# Altium PCB AMPM_GT400VB.PcbDoc (part 1 of 3) (continued)
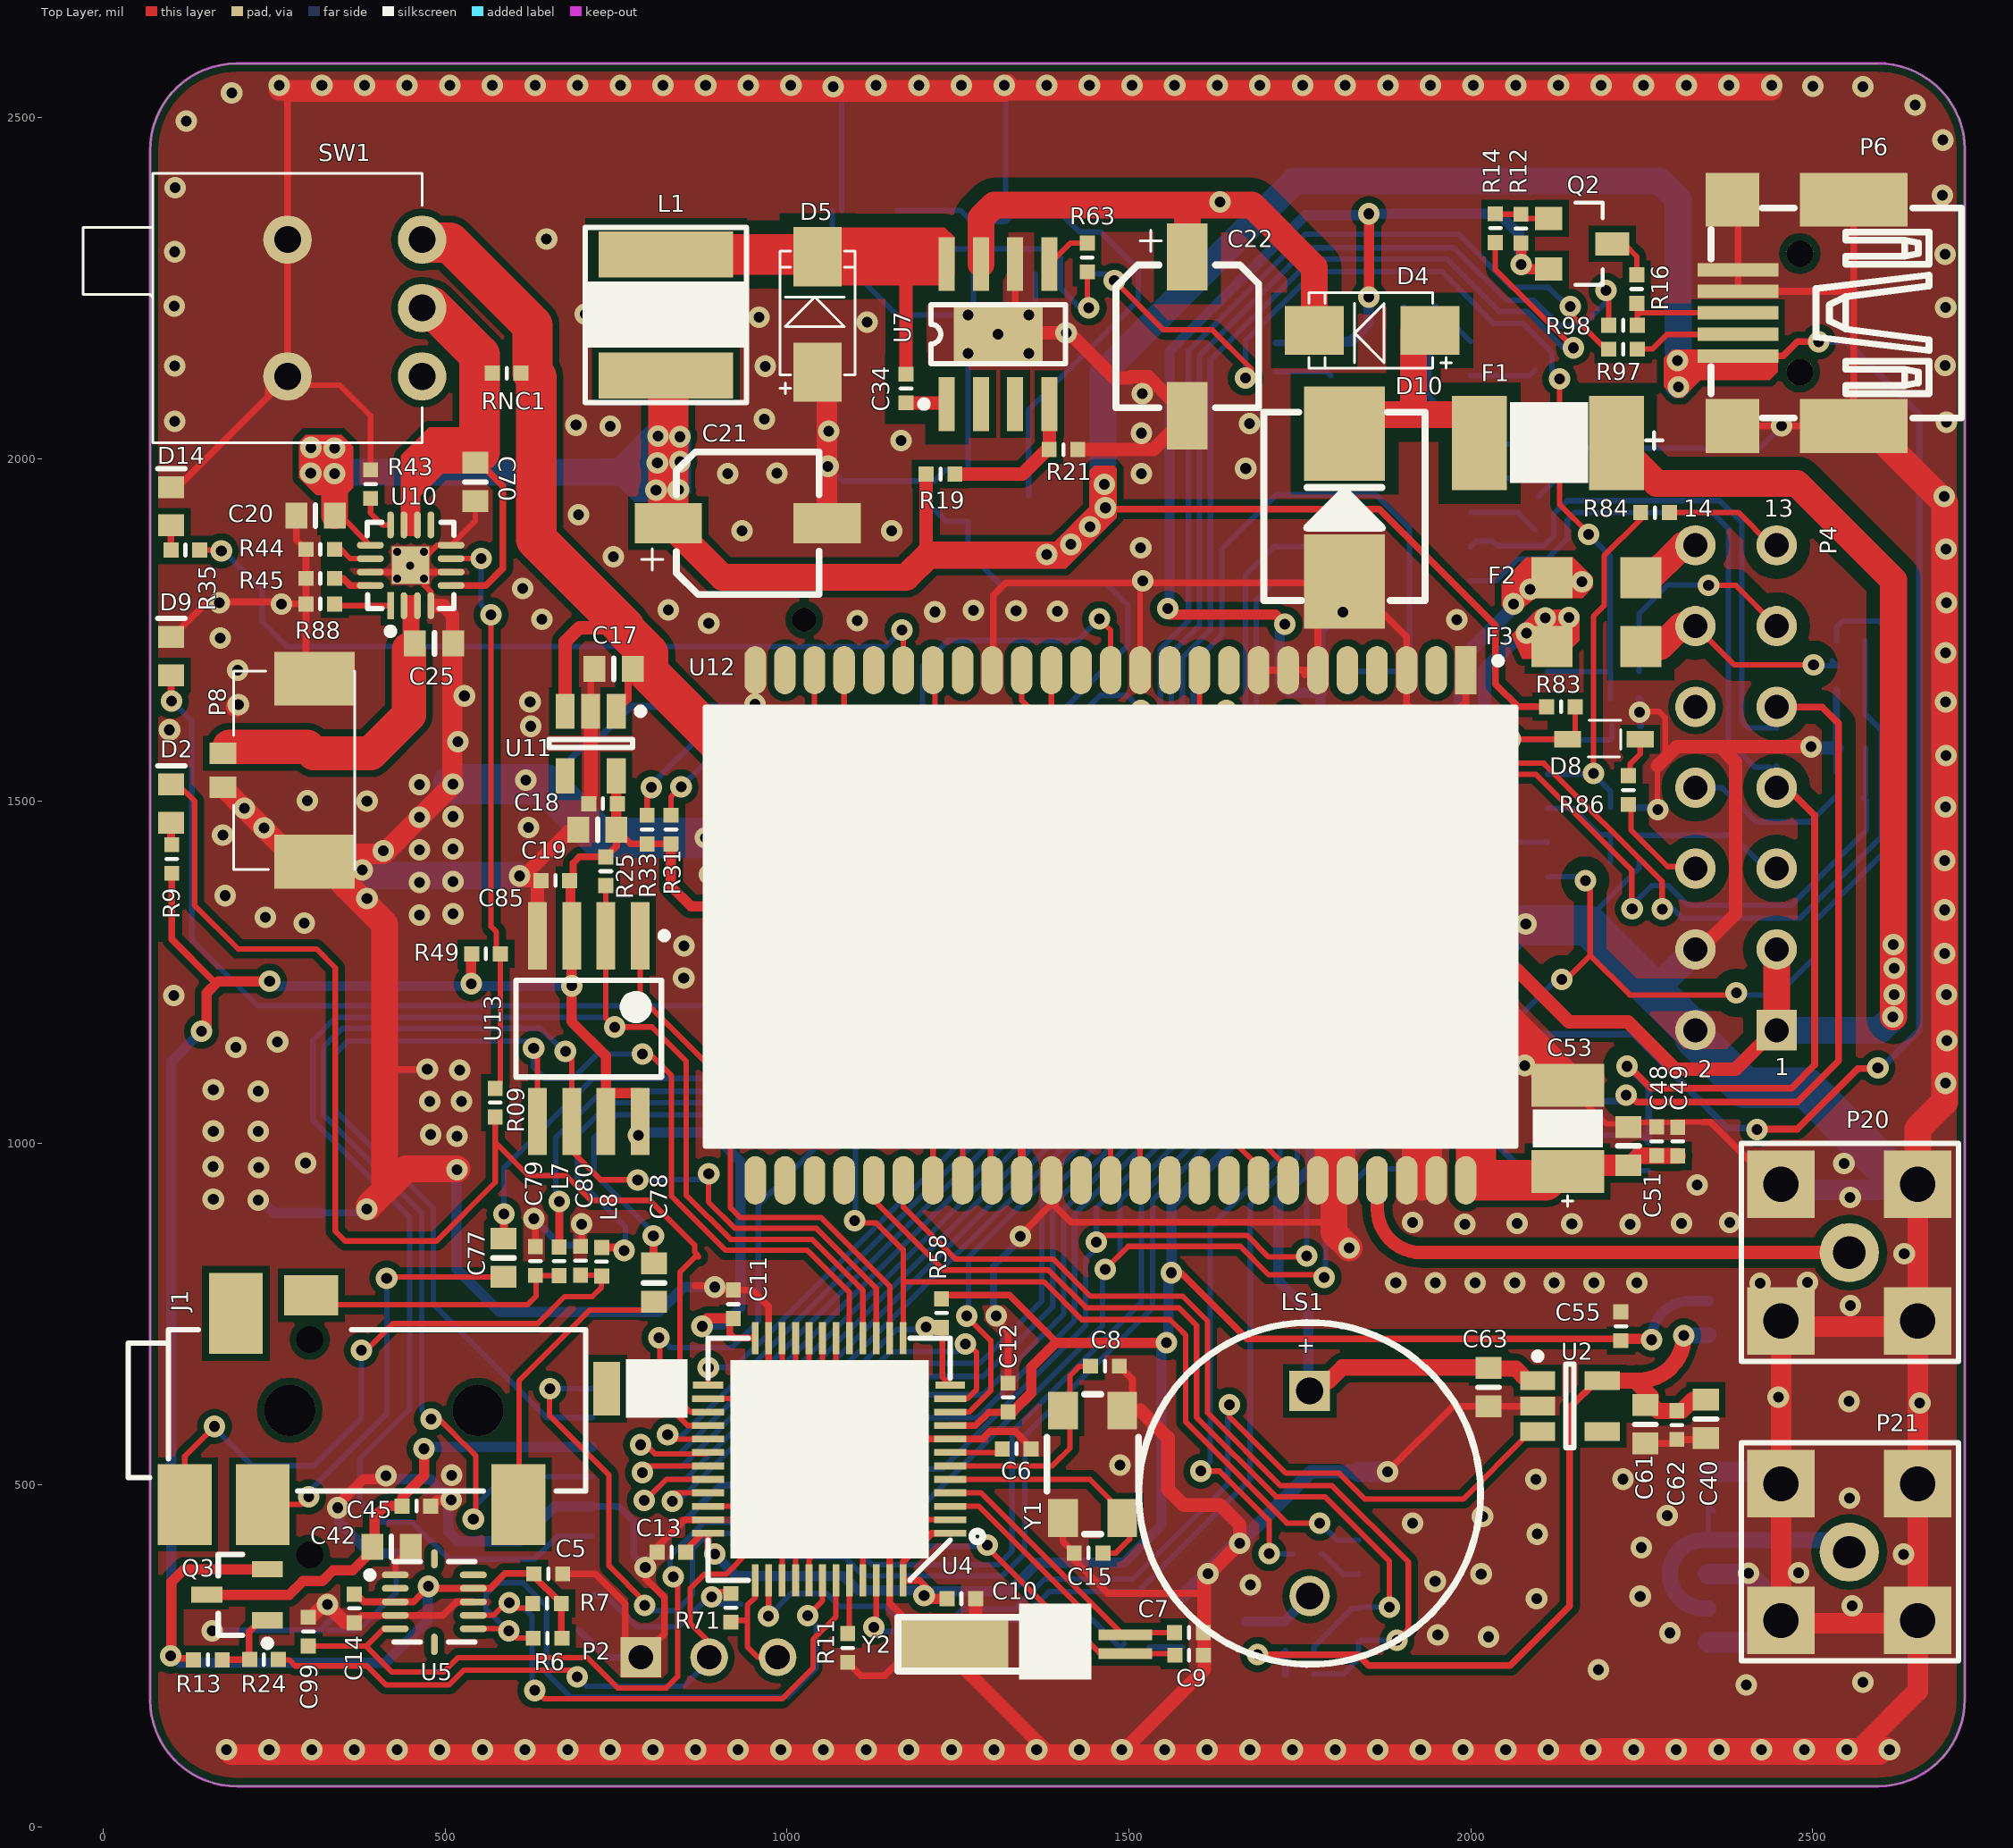
[diagram p0: Top Layer view]
## Components (designator, comment, footprint, x,y, rotation, side; value= is the part's Value field where it differs from the comment) (continued)
F2 "PTS120616V025" PTC1206 2183.73,1826.83 r180 top locked
F3 "PTS120616V025" PTC1206 2183.81,1725.96 r180 top
J1 "Phone Jack" "PHONE JACK" 36.06,608.97 r0 top locked
L1 "68uH-20%" 68uH-1A 822.79,2299.59 r270 top locked
L7 "82nH" R0402 666.53,826.94 r270 top
L8 "82nH" R0402 728.75,826.3 r270 top
LS1 "Speaker" BUZZER 1764.43,501.09 r0 top locked
P2 "Debug" HDR1X3 786.02,247.7 r0 top locked
P4 "Header 7X2H" HDR_7x2 2392.25,1726.41 r0 top locked
P6 "USB-CONNECTOR" "USB MINI B RECEPTACLE-M" 2371.2,2151.15 r270 top locked
P8 "Header 4" BAT_CONNECT 190.58,1545.16 r180 top locked
P10 "SIM CARD HOLDER" "SIM CARD HOLDER" 830.12,1489.92 r90 bottom locked
P20 "SMA" ANTENA-SMA 2553.89,839.65 r0 top locked
P21 "SMA" ANTENA-SMA 2553.89,401.56 r0 top locked
Q1 "C1815" SC-43-BCE 1624.76,299.59 r90 bottom
Q2 "2SA1015" SC-43-BCE 2160.7,2315.23 r270 top
Q3 "BSS84" SOT23-3 195.36,339.15 r180 top
Q6 "BSS138" SOT23-3 1228.09,2307.86 r180 bottom
Q8 "BSS138" SOT23-3 1309.03,1946.7 r0 bottom
Q9 "BSS138" SOT23-3 1400.92,2315.19 r90 bottom
R2 "10k-5%" R0402 1804.55,1658.82 r180 bottom
R3 "10k-5%" R0402 1801.7,1600.78 r180 bottom
R4 "10k-5%" R0402 1803.25,1501.11 r180 bottom
R5 "10k-5%" R0402 1804.04,1466.13 r180 bottom
R6 "4k7-5%" R0402 649.59,275.69 r0 top
R7 "4k7-5%" R0402 648.8,326.36 r0 top
R9 "1k-5%" R0402 99.92,1415.36 r270 top
R09 "1k-5%" R0402 572.97,1058.94 r270 top
R10 "1k-5%" R0402 2556.22,1733.8 r180 bottom
R11 "10k-5%" R0402 1088.54,261.4 r90 top
R12 "10k-5%" R0402 2073.53,2337.32 r270 top
R13 "10k-5%" R0402 152.71,244.07 r0 top
R14 "1k5-5%" R0402 2036.02,2338.01 r270 top
R16 "1k5-5%" R0402 2242.92,2248.94 r270 top
R18 "10k-5%" R0402 1508.35,261.79 r180 bottom
R19 "10k-1%" R0402 1224.36,1978.33 r0 top
R21 "3.24k-1%" R0402 1404.28,2014.15 r180 top
R24 "1k-5%" R0402 234.67,244.37 r0 top
R25 "10k-5%" R0402 734.8,1397.43 r270 top
R28 "1k-5%" R0402 1760.11,398.89 r180 bottom
R31 "10k-5%" R0402 830.12,1458.43 r90 top
R33 "10k-5%" R0402 795.12,1458.43 r90 top
R35 "1k-5%" R0402 119.71,1867.21 r0 top
R43 "1k1-5%" R0402 390.58,1963.67 r90 top
R44 "47k-5%" R0402 317.15,1868.33 r180 top
R45 "1k5-5%" R0402 317.15,1825.84 r180 top
R49 "10k-5%" R0402 559.48,1276.66 r180 top
R58 "10k-5%" R0402 1225.94,751.16 r90 top
R63 "100k-5%" R0402 1439.11,2295.12 r270 top
R67 "100k-5%" R0402 2556.22,1698.2 r0 bottom
R68 "10k-5%" R0402 2556.22,1662.6 r0 bottom
R71 "1k-5%" R0402 917.67,320.06 r270 top
R73 "120-5%" R0603 2447.32,1550.28 r90 bottom
R77 "4k7-5%" R0402 1749.92,256.43 r180 bottom
R78 "4k7-5%" R0402 1749.92,222.96 r180 bottom
R82 "10k-5%" R0402 2225.33,1689.69 r0 bottom
R83 "10k-5%" R0402 2132.06,1638.04 r180 top
R84 "10k-5%" R0402 2269.64,1922.03 r0 top
R85 "10k-5%" R0402 2225.33,1450.89 r0 bottom
R86 "1k-5%" R0402 2230.66,1516.12 r270 top
R87 "10k-5%" R0402 2556.62,1542.86 r0 bottom
R88 "10k-5%" R0402 317.15,1788.33 r180 top
R89 "10k-5%" R0402 932.6,346.65 r270 bottom
R93 "100k-5%" R0402 1215.49,1947.23 r90 bottom
R94 "100k-5%" R0402 1455.49,2375.59 r180 bottom
R95 "100k-5%" R0402 2556.62,1507.94 r0 bottom
R97 "22-5%" R0402 2222.92,2160.94 r0 top
R98 "22-5%" R0402 2222.92,2195.94 r0 top
RNC1 "0ohm" R0402 589.73,2125.94 r180 top
SW1 "NC/Slide Switch 5FS1S102M6QE" SWITCH-PW-AQ 269.18,2321.23 r90 top locked
U1 "uSD Push-Push Socket" "MICROSD SOCKET CPSDBT5" 715.1,685.01 r90 bottom locked
U2 "XC6209B332MRN_SOT-25" SOT23-5 2145.21,615.21 r0 top
U3 "ULN2003A/SO" SO16-150mil#1 2009.93,1514.59 r270 bottom locked
U4 "STM32F103CBT6TR" TQFP-48-P0.5 1061.59,537.47 r180 top locked
U5 "MMA7660FC" MMA7660FC 483.87,328.81 r0 top locked
U7 "TPS54xx" HSOIOCN 1308.61,2183.05 r0 top locked
U8 "MAX485CSA" SO8-150mil 2015.31,1036.99 r90 bottom
U9 "MAX3232CSE" SO16-150mil#2 1897.59,1997.22 r270 bottom locked
U10 "bq24073" pq24073 449.32,1844.9 r90 top
U11 "XC6209B332MRN_SOT-25" SOT23-5 712.7,1584.17 r270 top locked
U12 "LEON G100" UBLOX 1473.2,1318.41 r270 top locked
U13 "MX25L8005MC-15G_SOP-8L" SO8-200mil 709.8,1167.3 r270 top locked
U15 "AMBO1315" GPS-module 2347.69,519.11 r90 bottom locked
Y1 "8.000 MHZ" "SMD CRYSTAL 4 X 2.5" 1446.93,530.04 r90 top
Y2 "32768Hz" "CYLINDRICAL CRYSTAL - SMALL" 1396.41,266.91 r180 top locked

## Footprints (in the part's own frame and the unit in brackets; to place one, negate y for a bottom-side part, rotate by r counter-clockwise, add the part's x,y. Pads: shape width x height; smd on the part's side, far side on the other; paste and mask are expansions set on the pad)
68uH-1A [mm]
  rect 1.7x5 smd: 1(0,0) 2(4.5,0)
  silkscreen extent -1,-3 5.5,3, body extent -1,-3 5.5,3, height 4.6
ANTENA-SMA [mm] "Connector; Header; 2 Position"
  round 2.2 hole 1.2: 1(0,0)
  rect 2.5x2.5 hole 1.3: 2(-2.54,-2.54) 3(2.54,-2.54) 4(2.54,2.54) 5(-2.54,2.54)
  silkscreen extent -4.01,-4.04 4.06,4.06, body extent -3.5,-3.5 11.6,3.5, height 9.86
BAT_CONNECT [mm]
  rect 1x0.8 smd: 1(0.4,0.635) 2(0.4,-0.635)
  rect 3x2 smd: 3(-3,3.4) 4(-3,-3.4)
  silkscreen extent -4.5,-3.69 0,3.69
BUZZER [mm]
  rect 1.5x1.5 hole 1: 1(0,3.46)
  round 1.5 hole 1: 2(0,-4.16)
  silkscreen extent -6.35,-6.7 6.35,6, body extent -5.97,-6.35 6.02,5.65, height 7.5
C0402 [mil]
  rect 22x22 smd: 1(-21,0) 2(21,0)
  silkscreen extent 0,-8 0,8, body extent -20,-10 20,10, height 20
C0603 [mil]
  rect 32x38 smd: 1(0,0) 2(56,0)
  silkscreen extent 28,-16 28,16, body extent -4,-16 59,16, height 12
C1210 [mm] "Chip Capacitor; Body 3.2 x 2.5 mm (LxW typ)"
  rect 1.6x2.7 smd: 1(1.4,0) 2(-1.8,0)
  silkscreen extent -0.9,-1.3 2.7,1.3, body extent -2.3,-1.35 1.9,1.35
"CAPACITOR SIZE_C(D5.3)" [mm]
  rect 2.5x1.5 smd: 1(0,0) 2(5.9,0)
  silkscreen extent -1,-2.65 5.6,2.65, body extent 0,-2.65 5.9,2.65, height 5.41
"CYLINDRICAL CRYSTAL - SMALL" [mm]
  rect 2x0.4 smd: 1(-2.5,-0.35) 2(-2.5,0.35)
  rect 4x1.8 smd: 3(3.85,0)
  silkscreen extent -1,-1 5.95,1
"DO-214AB (SMC)" [mil]
  rect 137.77x118.1 smd: 1(19.67,0) 2(236,0)
  silkscreen extent -8,-118 267,118, body extent -27,-118 286,114, height 91
"DO-214AC (SMA)" [mm]
  rect 2.2x1.8 smd: 1(-0.899,-0.5) 2(3.397,-0.5)
  silkscreen extent -1.7,-1.9 3.6,0.9, body extent -1.3,-1.8 3.9,0.8, height 2.3
GPS-module [mm]
  rect 0.66x1 smd: 1(-6.35,-13) 2(-5.08,-13) 3(-3.81,-13) 4(-2.54,-13) 5(-1.27,-13) 6(1.27,-13) 7(2.54,-13) 8(3.81,-13) 9(5.08,-13) 10(6.35,-13) 11(6.35,0) 12(5.08,0) 13(3.81,0) 14(2.54,0) 15(1.27,0) 16(-1.27,0) 17(-2.54,0) 18(-3.81,0) 19(-5.08,0) 20(-6.35,0)
  rect 1.02x1 smd: 21(0,-13) 22(0,0)
  silkscreen extent -8,-13 8,0, body extent -8,-13 8,0, height 2.5
HDR1X3 [mm] "Connector; Header; 3 Position"
  rect 1.5x1.5 hole 0.9: 1(0,0)
  round 1.4 hole 0.9: 2(2.54,0) 3(5.08,0)
HDR_7x2 [mm] "Connector; Header; 7x2 Position; Right Angle"
  rect 1.5x1.5 hole 0.9: 1(1.404,-14.261)
  round 1.5 hole 0.9: 2(-1.611,-14.261) 3(1.404,-11.258) 4(-1.611,-11.258) 5(1.404,-8.256) 6(-1.611,-8.256) 7(1.404,-5.253) 8(-1.611,-5.253) 9(1.404,-2.251) 10(-1.611,-2.251) 11(1.404,0.752) 12(-1.611,0.752) 13(1.404,3.754) 14(-1.611,3.754)
HSOIOCN [mm] "SP7656"
  rect 0.6x2 smd: 1(-1.905,-2.6) 2(-0.635,-2.6) 3(0.635,-2.6) 4(1.905,-2.6) 5(1.905,2.6) 6(0.635,2.6) 7(-0.635,2.6) 8(-1.905,2.6)
  rect 3.3x2.4 smd: 9(0,0)
  silkscreen extent -2.88,-2.72 2.5,1.1, body extent -2.5,-2.95 2.4,3.05, height 1.7
LED0603-G [mil]
  rect 32x38 smd: 1(-28,0) 2(28,0)
  silkscreen extent 55,-20 55,19, body extent -32,-16 32,16, height 43
"MICROSD SOCKET CPSDBT5" [mil]
  rect 27.53x86.6 smd: 1(0,0) 2(-43.3,0) 3(-86.6,0) 4(-129.92,0) 5(-173.22,0) 6(-216.53,0) 7(-259.83,0) 8(-303.13,0) 9(-346.45,0)
  rect 55.1x62.97 smd: 10(-397.63,-19.68)
  rect 55.1x94.47 smd: 11(-397.63,-397.63) 12(212.58,-397.63)
  rect 70.83x62.97 smd: 13(165.35,-23.62)
  round 0 hole 39.37: 14(27.55,-413.38) 15(-287.4,-413.38)
  silkscreen extent -435,-571 250,55
MMA7660FC [mm] "QFN, 12-Leads, Body 3,0x3,0mm (max), Pitch 0,50mm, IPC Medium Density"
  oval 1x0.25 smd: 1(-1.45,1) 2(-1.45,0.5) 3(-1.45,0) 4(-1.45,-0.5) 5(-1.45,-1) 6(1.45,-1) 7(1.45,-0.5) 8(1.45,0) 9(1.45,0.5) 10(1.45,1)
  oval 0.25x0.8 smd: 11(0,-1.58)
  oval 0.25x0.711 smd: 12(0,1.6)
  silkscreen extent -2.52,-1.5 1.5,1.5, body extent -1.5,-1.5 1.5,1.5, height 0.9
"PHONE JACK" [mm]
  rect 2x3 smd: 1(2.1,-3.5) 2(14.5,-3.5) 5(4,3.6) 6(5,-3.5)
  rect 2x1.5 smd: 3(6.8,4.27)
  rect 1x2 smd: 4(17.78,0.8)
  silkscreen extent 0,-3 17,3, body extent 0,-3 17,3, height 5.1
pq24073 [mm]
  rect 1x0.25 smd: 1(-1.5,0.75)
  oval 1x0.25 smd: 2(-1.5,0.25) 3(-1.5,-0.25) 4(-1.5,-0.75) 9(1.5,-0.75) 10(1.5,-0.25) 11(1.5,0.25) 12(1.5,0.75)
  oval 0.25x1 smd: 5(-0.75,-1.5) 6(-0.25,-1.5) 7(0.25,-1.5) 8(0.75,-1.5) 13(0.75,1.5) 14(0.25,1.5) 15(-0.25,1.5) 16(-0.75,1.5)
  rect 1.4x1.4 smd: 17(0,0)
  silkscreen extent -2.57,-1.6 1.6,1.61, body extent -1.58,-1.57 1.58,1.58, height 1
PTC1206 [mil]
  rect 60x60 smd: 1(-65,0) 2(65,0)
  body extent -60,-50 66,51, height 27
PTC1812 [mm]
  rect 3.5x2.032 smd: 1(0,2.7) 2(0,-2.395)
  silkscreen extent -1.53,-1.26 1.47,4.4, body extent -1.73,-2.06 1.68,2.67, height 1.34
R0402 [mil]
  rect 22x22 smd: 1(-21,0) 2(21,0)
  silkscreen extent 0,-8 0,8, body extent -20,-10 20,10, height 14
R0603 [mil]
  rect 32x38 smd: 1(0,0) 2(56,0)
  silkscreen extent 28,-16 28,16, body extent -4,-16 59,16, height 12
SC-43-BCE [mil]
  rect 34x40 smd: B(-37.02,-46.5) E(37.02,-46.5)
  rect 34x50 smd: C(0.02,46.5)
  silkscreen extent -60,-8 60,33, body extent -57,-52 57,58, height 41
"SIM CARD HOLDER" [mm]
  rect 0.8x1.35 smd mask+0.3: 1(2.92,10.8) 2(0.62,10.8) 3(-1.68,10.8) 4(4.07,10.8) 5(1.77,10.8) 6(-0.53,10.8) 7(-2.83,10.8)
  rect 1.6x2 smd mask+0.201: 8(-10.225,-10.8) 9(10.225,-10.8)
  silkscreen extent -9.42,-18.47 9.43,10.79, body extent -10.14,-20.92 10.41,11.1, height 2.2
"SMD CRYSTAL 4 X 2.5" [mm]
  rect 1.4x1.1 smd: 1(-2,-1.1) 2(2,-1.1) 3(2,1.1) 4(-2,1.1)
  silkscreen extent -2.6,-1.7 2.6,1.7, body extent -2,-1.2 2,1.3, height 0.63
SO8-150mil [mm] "Small Outline; 8 Leads; Body Width 3.9 mm; Pitch 1.27 mm"
  rect 0.6x2 smd: 1(-1.905,-2.6) 2(-0.635,-2.6) 3(0.635,-2.6) 4(1.905,-2.6) 5(1.905,2.6) 6(0.635,2.6) 7(-0.635,2.6) 8(-1.905,2.6)
  silkscreen extent -2.88,-2.72 2.5,1.1, body extent -2.5,-2.95 2.4,3.05, height 1.7
SO8-200mil [mm] "8-Pin Plastic Medium Body Small Outline Package 1.27 mm Pitch, IPC Low Density"
  rect 2.5x0.7 smd: 1(-3.45,1.905) 2(-3.45,0.635) 3(-3.45,-0.635) 4(-3.45,-1.905) 5(3.45,-1.905) 6(3.45,-0.635) 7(3.45,0.635) 8(3.45,1.905)
  silkscreen extent -3.57,-2.7 1.8,2.93, body extent -3.05,-2.4 2.95,2.5, height 1.7
SO16-150mil#1 [mm] "Small Outline; 16 Leads; Body Width 3.9 mm; Pitch 1.27 mm"
  rect 0.5x2.2 smd: 1(-4.445,-2.6) 2(-3.175,-2.6) 3(-1.905,-2.6) 4(-0.635,-2.6) 5(0.635,-2.6) 6(1.905,-2.6) 7(3.175,-2.6) 8(4.445,-2.6) 9(4.445,2.6) 10(3.175,2.6) 11(1.905,2.6) 12(0.635,2.6) 13(-0.635,2.6) 14(-1.905,2.6) 15(-3.175,2.6) 16(-4.445,2.6)
  silkscreen extent -5.42,-2.72 5,1.1, body extent -4.95,-3.1 4.95,3.1, height 1.7
SO16-150mil#2 [mm] "Small Outline; 16 Leads; Body Width 3.9 mm; Pitch 1.27 mm"
  rect 0.6x2.2 smd: 1(-4.445,-2.6) 2(-3.175,-2.6) 3(-1.905,-2.6) 4(-0.635,-2.6) 5(0.635,-2.6) 6(1.905,-2.6) 7(3.175,-2.6) 8(4.445,-2.6) 9(4.445,2.6) 10(3.175,2.6) 11(1.905,2.6) 12(0.635,2.6) 13(-0.635,2.6) 14(-1.905,2.6) 15(-3.175,2.6) 16(-4.445,2.6)
  silkscreen extent -5.42,-2.72 5,1.1, body extent -4.95,-3.1 4.95,3.1, height 1.7
SOD323#1 [mm]
  rect 1x0.6 smd: 1(-1.35,0) 2(1.35,0)
  silkscreen extent -0.59,-0.65 0.62,0.7, body extent -1.32,-0.65 1.38,0.7, height 0.79
SOD323#2 [mm]
  rect 1.2x0.65 smd: 1(0,0) 2(2.4,0)
  silkscreen extent 0.2,-0.7 1.6,0.6, body extent -0.15,-0.7 2.55,0.65, height 0.79
SOD-523F [mm] "Molded Inductor, 2-Leads, Body 1.2x0.8mm, IPC Medium Density"
  rect 0.5x0.9 smd: 1(0,-1) 2(0,1)
  silkscreen extent -0.31,-0.28 0.29,-0.28, body extent -0.45,-0.65 0.45,0.65, height 0.7
SOT23-3 [mm] "SOT23, 3-Leads, Body 2.9x1.3mm, Pitch 0.95mm, Lead Span 2.4mm, IPC Medium Density"
  rect 1.15x0.6 smd: 1(-1.125,0.95) 2(-1.125,-0.95) 3(1.125,0)
  silkscreen extent -1.25,-1.5 0.7,1.92, body extent -1.27,-1.46 1.28,1.46, height 0.99
SOT23-5 [mm] "SOT23, 5-Leads, Body 2.9x1.6mm, Pitch 0.95mm, Lead Span 2.8mm, IPC Low Density"
  rect 1.3x0.7 smd: 1(-1.2,0.95) 2(-1.2,0) 3(-1.2,-0.95) 4(1.2,-0.95) 5(1.2,0.95)
  silkscreen extent -1.32,-1.55 0.15,1.97, body extent -0.9,-1.55 0.9,1.55, height 1.45
SWITCH-PW-AQ [mm]
  round 1.8 hole 1: 1(-5.08,-5) 2(-2.54,-5) 3(0,-5) 4(0,0) 5(-5.08,0)
  silkscreen extent -7.54,-5 2.46,7.6
TQFP-48-P0.5 [mm] "Thin QFP, 48-Leads, Body 7x7mm, Pitch 0.5mm, IPC Medium Density"
  rect 1.2x0.254 smd: 1(-4.5,2.75) 2(-4.5,2.25) 3(-4.5,1.75) 4(-4.5,1.25) 5(-4.5,0.75) 6(-4.5,0.25) 7(-4.5,-0.25) 8(-4.5,-0.75) 9(-4.5,-1.25) 10(-4.5,-1.75) 11(-4.5,-2.25) 26(4.5,-2.25) 27(4.5,-1.75) 28(4.5,-1.25) 29(4.5,-0.75) 30(4.5,-0.25) 31(4.5,0.25) 32(4.5,0.75) 33(4.5,1.25) 34(4.5,1.75) 35(4.5,2.25) 36(4.5,2.75)
  rect 1.092x0.254 smd: 12(-4.5,-2.75)
  rect 0.254x1.2 smd: 13(-2.75,-4.5) 14(-2.25,-4.5) 15(-1.75,-4.5) 16(-1.25,-4.5) 17(-0.75,-4.5) 18(-0.25,-4.5) 19(0.25,-4.5) 20(0.75,-4.5) 21(1.25,-4.5) 22(1.75,-4.5) 23(2.25,-4.5) 24(2.75,-4.5) 37(2.75,4.5) 38(2.25,4.5) 39(1.75,4.5) 40(1.25,4.5) 41(0.75,4.5) 42(0.25,4.5) 43(-0.25,4.5) 44(-0.75,4.5) 45(-1.25,4.5) 46(-1.75,4.5) 47(-2.25,4.5) 48(-2.75,4.5)
  rect 1.143x0.254 smd: 25(4.5,-2.75)
  silkscreen extent -5.71,-4.5 4.5,4.5, body extent -4.5,-4.5 4.5,4.5, height 1.5
UBLOX [mm] "SOJ, 50-Leads, Body 30.1x20.1mm (max), Pitch 1.10mm, IPC Low Density"
  rect 1.8x0.8 smd: 1(-9.475,13.2)
  oval 1.8x0.8 smd: 2(-9.475,12.1) 3(-9.475,11) 4(-9.475,9.9) 5(-9.475,8.8) 6(-9.475,7.7) 7(-9.475,6.6) 8(-9.475,5.5) 9(-9.475,4.4) 10(-9.475,3.3) 11(-9.475,2.2) 12(-9.475,1.1) 13(-9.475,0) 14(-9.475,-1.1) 15(-9.475,-2.2) 16(-9.475,-3.3) 17(-9.475,-4.4) 18(-9.475,-5.5) 19(-9.475,-6.6) 20(-9.475,-7.7) 21(-9.475,-8.8) 22(-9.475,-9.9) 23(-9.475,-11) 24(-9.475,-12.1) 25(-9.475,-13.2) 26(9.475,-13.2) 27(9.475,-12.1) 28(9.475,-11) 29(9.475,-9.9) 30(9.475,-8.8) 31(9.475,-7.7) 32(9.475,-6.6) 33(9.475,-5.5) 34(9.475,-4.4) 35(9.475,-3.3) 36(9.475,-2.2) 37(9.475,-1.1) 38(9.475,0) 39(9.475,1.1) 40(9.475,2.2) 41(9.475,3.3) 42(9.475,4.4) 43(9.475,5.5) 44(9.475,6.6) 45(9.475,7.7) 46(9.475,8.8) 47(9.475,9.9) 48(9.475,11) 49(9.475,12.1) 50(9.475,13.2)
  silkscreen extent -9.95,-15.05 8.2,15.05, body extent -9.5,-15.05 9.5,15.05, height 3.2
"USB MINI B RECEPTACLE-M" [mm]
  rect 0.5x3 smd: 1(0,0.5) 2(-0.8,0.5) 3(-1.6,0.5) 4(-2.4,0.5) 5(-3.2,0.5)
  rect 2x2 smd: 6(2.601,0.3) 7(-5.801,0.3)
  rect 2x4 smd: 8(2.601,4.801) 9(-5.801,4.801)
  round 1 / inner round 1.524 / far side round 1 hole 1: 10(0.6,2.8) 11(-3.8,2.8)
  silkscreen extent -5.5,-0.5 2.3,8.8, body extent -6.9,-0.4 3.8,8.8, height 3.95

## Part data
C5 C6 C10 C11 C12 C13 C14 C18 C29 C31 C32 C34 C37 C38 C39 C45 C55 C56 C62 C68 C81 C82 C83 C84 C85 C86 C87 C88 C89 C90 C99: library part Cap, "CAP CER 0.1UF 16V Y5V 0402"
C7 C8 C9 C15 C48: library part Cap, "CAP CER 15PF 50V 5% NPO 0402"
C17 C19 C20 C42 C51 C63: library part Cap, "CAP CER 1UF 16V Y5V 0603"
C21: library part "Cap Pol3", "CAP ALUM 100UF 10V 20% SMD"
C22: library part "Cap Pol3", "CAP ALUM 10UF 35V 20% SMD"
C25 C40 C61 C70 C77 C78: library part Cap, "CAP CER 10UF 6.3V 20% X5R 0603"
C49: library part Cap, "CAP CER 33PF 50V 5% NPO 0402"
C53: library part "Cap Pol3", "CAP CER 100UF 10V 20% X5R 1812"
C57 C58 C59 C71 C72: library part Cap, "CAP CER 47PF 50V 5% NPO 0402"
C79 C80: library part Cap, "CAP CER 27PF 50V 5% NPO 0402"
C94: library part Cap, "CAP CER 10000PF 16V 10% X7R 0402"
D2 D9 D14: library part LED2, "LED GREEN CLEAR THIN 0603 SMD"
D4: library part Diode, "DIODE GEN PURPOSE 1000V 1A SMA"
D5: library part "D Schottky", "DIODE SCHOTTKY 40V 3A SMA"
D7: library part Diode, "Diode Type SMD"
D8: library part Diode, "DIODE SWITCH 75V 200MW SOD323"
D10: library part "D Schottky", "DIODE TVS 24V 1500W UNI 5% SMC"
DZ1: library part "D Zener", "Zener Diode"
F1: library part "Fuse 2", "POLYSWITCH .50A RESET FUSE SMD"
F2 F3: library part "Fuse 2", "PTC RESETTABLE SMD 1206 16V .25A"
J1: "NA"
L1: library part Inductor, "INDUCTOR POWER 68UH SMD"
L7 L8: library part Inductor, "INDUCTOR 82NH 150MA 0402"
LS1: "Loudspeaker"
P2: library part "Header 3", "NA"
P4: "Header, 7-Pin, Dual row, Right Angle"
P6: library part "Header 9", "IO CONNECTOR"
P8: "Header, 4-Pin"
P10: library part "SIM CARD"
P20 P21: library part Component_1, "SMA-R/A-F"
Q1: library part "NPN Transistor", "TRANSISTOR NPN 50V 150MA"
Q2: library part "PNP Transistor"
Q3: library part MOSFET-P, "MOSFET P-CH 50V 130MA SOT23-3"
Q6 Q8 Q9: library part MOSFET-P, "MOSFET N-CH 50V 200MA SOT23-3"
R2 R3 R4 R5 R11 R12 R13 R18 R25 R31 R33 R49 R58 R68 R82 R83 R84 R85 R87 R88 R89: library part Res1, "RES 10K OHM 1/16W 5% 0402 SMD"
R6 R7 R77 R78: library part Res1, "RES 4.7K OHM 1/16W 5% 0402 SMD"
R9 R09 R10 R24 R28 R35 R71 R86: library part Res1, "RES 1.0K OHM 1/16W 5% 0402 SMD"
R14 R16 R45: library part Res1, "RES 1.5K OHM 1/16W 5% 0402 SMD"
R19: library part Res1, "RES 10.0K OHM 1/10W 1% 0402 SMD"
R21 RNC1: library part Res1, "RES 3.24K OHM 1/10W 1% 0402 SMD"
R43: library part Res1, "RES 1.1K OHM 1/16W 5% 0402 SMD"
R44: library part Res1, "RES 47K OHM 1/16W 5% 0402 SMD"
R63 R67 R93 R94 R95: library part Res1, "RES 100K OHM 1/16W 5% 0402 SMD"
R73: library part Res1, "RES 120 OHM 1/10W 1% 0603 SMD"
R97 R98: library part Res1, "RES 22 OHM 1/16W 5% 0402 SMD"
SW1: library part "Header 5", "Header, 5-Pin"
U3: library part ULN2003A/SO_0, "IC DARL TRANS ARRAY 16-SOIC"
U4: library part ATmega128_4, "MCU ARM 128K FLASH/TIMER"
U5: "ACCELEROMETER 3X3 DGTL 10-DFN"
U7: "IC REG BUCK ADJ 1A 8SOIC"
U8: "IC TXRX RS485/RS422 LOWPWR 8SOIC"
U9: "IC DRVR/RCVR MULTCH RS232 16SOIC"
U10: library part BATTERY_CHARGER, "IC LI-ION CHARGE/PWR MGMT 16-QFN"
U12: library part ublox
U13: library part FlashIC
U15: library part UBLOX-GPS
Y1: library part CRYSTAL-SMT, "CRYSTAL 8.000 MHZ 18PF SMD"
Y2: library part XTAL, "CRYSTAL 32.000 KHZ 12.5PF CYL"

## Via types
v1: diameter 31.5, hole 15.75, Top Layer to Bottom Layer, 478 vias
v2: diameter 11.81, hole 11.81, Top Layer to Bottom Layer, tented top, 5 vias
v3: diameter 74.8, hole 74.8, Top Layer to Bottom Layer, 2 vias
v4: diameter 35.43, hole 35.43, Top Layer to Bottom Layer, 2 vias

## Nets (pads, with @x,y where several pads share a name; then routed paths per layer and width w, separated by ;. In a path a pad name is that pad's centre, name@x,y a point inside that pad or via, vN(x,y) a via of type N, cw(c..) or ccw(c..) an arc to the next point about the centre after c; other vN are vias at no path point)
3V3: C5.2 C10.1 C11.1 C12.1 C13.1 C14.2 C18.2 C19.1 C38.1 C55.2 C85.1 Q2.E Q3.2 R2.2 R3.2 R4.2 R5.2 R6.2 R7.2 R9.2 R12.2 R13.1 R25.1 R31.1 R33.1 R49.2 R58.2 R89.1 U4.1 U4.9 U4.24 U4.36 U4.48 U5.3 U5.9 U9.16 U11.5 U13.3 U13.7 U13.8 U15.11 | length 10773
  Top Layer w10: v1@98.38,246.04 R13.1@131.71,246.04 ; R9.2@99.92,1394.36 99.92,1298.04 161.46,1236.5 ; C14.2@368.6,341.38 381.17,328.81 U5.3@426.79,328.81 453.54,328.81 v1@473.85,349.13 ; v1@485.03,348.5 U5.9@540.96,348.5 565.7,348.5 587.56,370.36 C5.2@627.19,370.36 ; C5.2@629.68,369.78 629.68,368 628.16,368 R7.2@669.8,326.36 669.8,276.48 R6.2@670.59,275.69 ; C85.1@681.98,1383.84 687.06,1388.93 687.06,1409.37 696.13,1418.43 R25.1@734.8,1418.43 750.32,1433.95 C19.1@750.32,1458.37 771.26,1437.43 R33.1@795.12,1437.43 R31.1@830.12,1437.43 ; U11.5@750.1,1536.93 U11.5@756.67,1530.36 ; U13.8@784.89,1033.3 U13.8@784.89,1072.7 ; C13.1@851.92,407.41 854.53,407.41 876.32,429.2 U4.36@884.42,429.2 v1@884.42,398.95 ; C11.1@915.89,743.45 915.89,721.43 922.68,714.63 U4.24@953.32,714.63 ; v1@1209.83,343.72 1193.25,360.3 U4.48@1169.86,360.3 1169.86,387.21 1211.85,429.2 U4.1@1238.76,429.2 ; R58.2@1226.72,773.6 1230.66,777.54 1325.15,777.54 1390.11,712.58 ; U4.9@1238.76,586.68 1275.63,586.68 1294.84,605.89 C12.1@1329.92,605.89 ; v1(1554.75,707.76) v1@1556.33,704.22 ; v1@1557.11,1773.11 v1@1559.48,1773.11 ; v1@1563.73,809.43 1576.72,809.43 1672.79,713.37 C55.2@2223.18,713.37
  Top Layer w15: v1@99.44,250.65 99.44,357.79 118.21,376.55 Q3.2@239.65,376.55 ; v1@150.81,1164.06 150.81,1219.35 167.97,1236.5 v1(242.94,1236.5) ; R49.2@537.69,1276.66 537.69,1233.09 v1(537.82,1232.96) ; C85.1@681.98,1383.84 683.1,1382.72 U13.3@683.1,1279.22 ; v1@684.8,1229.81 U13.3@684.8,1303.13 ; v1@684.89,1228.63 684.89,1177.23 734.89,1127.23 734.89,1072.7 U13.8@784.89,1072.7 ; C19.1@750.1,1458.37 U11.5@750.1,1536.93 ; v1(782.7,1010.91) 784.89,1013.1 U13.8@784.89,1033.3 ; R31.1@830.12,1437.43 830.12,1375.3 859.48,1345.95 1394.12,1345.95 1618.53,1121.54 v1@1700.44,1121.54 ; v1@875.62,736.5 882.57,743.45 C11.1@915.89,743.45 ; v1@1203.89,337.78 1208.31,333.36 C10.1@1233.92,333.36 ; C12.1@1329.92,605.89 1329.92,607.17 1357.04,634.29 1357.04,672.03 1392.38,707.37 v1@1554.36,707.37 ; v1@1559.48,1773.11 1713.9,1773.11 v1(1727.98,1759.04) ; v1@1851.13,2238.11 v1(1851.13,2359.04) ; R12.2@2073.53,2316.32 2073.97,2315.88 v1(2073.97,2284.63) 2080.38,2278.21 Q2.E@2114.2,2278.21 ; C55.2@2219.64,710.87 2220.69,710.87 ccw(c2220.69,713.37) 2223.18,713.37 2263.34,713.37 cw(c2263.34,712.19) v1(2264.52,712.19)
  Bottom Layer w10: v1@774.7,1012.09 v1@789.4,1012.09 ; v1(875.62,731.78) v1@875.62,734.14 ; v1@1559.48,1777.44 v1@1559.48,1781.87 ; C38.1@1715.31,2170.19 1793.2,2170.19 U9.16@1795.23,2172.22 ; 1743.56,1658.35 1743.76,1658.15 ; R3.2@1779.91,1599.98 R3.2@1779.91,1600.78 ; R2.2@1779.91,1655.19 R2.2@1782.88,1658.15 ; R4.2@1782.25,1501.11 1783.04,1500.33 R5.2@1783.04,1466.13 ; R2.2@1783.07,1658.35 R2.2@1783.55,1658.82
  Bottom Layer w15: v1@99.44,253.07 99.44,1119.38 v1(143.33,1163.27) ; 111.68,239.65 412.63,239.65 474.25,301.27 v1@474.25,351.46 ; v1@247.27,1229.41 v1@685.07,1229.41 ; v1@789.4,1012.09 792.94,1015.63 889.02,1015.63 931.94,972.71 931.94,759.76 906.33,734.14 v1@875.62,734.14 ; v1@894.05,397.99 925.62,366.42 1082.33,366.42 1103.5,345.26 1194.05,345.26 v1@1200.74,338.56 ; v1@1197.59,335.41 v1(1200.35,338.17) v1@1200.74,338.56 ; v1@1202.71,336.59 v1@1200.74,338.56 ; v1@1547.59,704.29 1547.59,441.32 1492.08,385.81 1366.49,385.81 1325.15,344.47 1206.65,344.47 v1@1200.74,338.56 ; v1@1557.89,721.53 v1@1557.89,810.22 ; v1@1559.48,1781.87 1559.48,2157.95 1758.53,2357 v1@1840.44,2357 ; v1(1562.16,810.22) 1562.16,909.13 1703.5,1050.47 v1@1703.5,1115.73 ; v1@1702.71,1123.11 1722,1142.41 1722,1495.72 ; 1724.76,1498.48 1724.76,1563.37 1761.37,1599.98 R3.2@1779.91,1599.98 ; 1728.12,1495.11 1776.25,1495.11 R4.2@1782.25,1501.11 ; v1@1728.69,1753.92 1720.43,1745.65 1720.43,1672.01 1734.08,1658.35 1743.56,1658.35 ; 1743.76,1658.15 R2.2@1782.88,1658.15 ; R3.2@1779.91,1600.78 R2.2@1779.91,1655.19 ; U9.16@1795.23,2172.22 1824.56,2172.22 1850.35,2198.01 v1@1850.35,2236.99 ; v1@1859.86,2358.97 2041.35,2358.97 2071.64,2328.69 v1@2071.64,2285.77 ; v1(2264.52,712.19) cw(c2321.45,712.19) 2321.45,769.11 U15.11@2347.69,769.11
  other v1: 98.38,249.59 475.22,351.46 894.05,398.8 1703.89,1118.09 685.07,1229.81 1557.04,1781.87 1850.74,2236.99
5V: C20.2 C21.1 C39.1 L1.2 P6.1 R19.1 R83.2 U8.8 U10.13 | length 6186.3
  Top Layer w8: C20.2@338.22,1917.73 346.97,1917.73 U10.13@390.27,1874.43
  Top Layer w10: v1(1465.7,1929.02) 1462.55,1929.02 1460.58,1927.05 1465.7,1927.05 1866.49,1927.05 2036.17,1757.37 2036.17,1671.15 2069.28,1638.04 R83.2@2111.06,1638.04 ; P6.1@2390.89,2151.15 2457.03,2151.15 2477.81,2171.93 v1(2509.08,2171.93) ; v1@2418.85,1020.36 2477.98,1020.36 2566.59,1108.97 v1@2592.97,1108.97
  Top Layer w19.68: 1203.36,1860.98 R19.1@1203.36,1978.33
  Top Layer w39.37: C20.2@338.22,1917.73 v1@338.22,1975.48 ; C21.1@826.2,1906.51 905.27,1827.45 1174.42,1827.45 1206.71,1859.73 1379.87,1859.73 1399.17,1859.73 v1(1414.91,1875.48)
  Top Layer w59.06: L1.2@822.79,2122.42 826.2,2119.01 826.2,2034.14 826.2,2032.96 826.2,1996.34 826.2,1994.77 826.2,1955.4 826.2,1954.61 C21.1@826.2,1906.51
  Bottom Layer w10: C39.1@2182.17,957.13 2177.32,961.99 U8.8@2117.67,961.99 2073.77,961.99 2044.05,991.71 2044.05,1126.75 2076.33,1159.04 2238.44,1159.04 2375.54,1021.93 v1@2418.85,1021.93 ; v1(2509.08,2171.93) 2550.05,2171.93 2656.25,2065.73 2656.25,1164.78 2598.46,1106.98 v1@2598.09,1106.61
  Bottom Layer w39.37: v1@343.73,1980.99 808.22,1980.99 810.19,1980.99 829.09,1980.99 v1@839.72,1991.62 ; v1(1414.91,1875.48) 1441.69,1902.25 1462.23,1922.79 1462.23,1929.02 1462.23,1963.27 1462.23,2127.22 1742.02,2407 2276.39,2407 2303.53,2379.87 2303.53,2144.44 v1@2303.53,2108.61
  other v1: 2418.85,1019.67 2595.62,1109.82 1379.87,1860.91 1442.87,1901.07 808.22,1954.61 840.9,1955.4 1464.13,1963.27 337.75,1979.02 303.1,1979.81 810.19,1994.77 843.26,1996.34 337.75,2016.03 303.5,2017.21 843.26,2032.96 811.37,2034.14 2303.92,2105.85 2302.34,2144.44
485_A: C72.1 P4.9 R73.2 U8.6 U9.7 | length 1860.4
  Top Layer w10: v1@2230.66,1071.93 2242.87,1059.73 2477.91,1059.73 2538.24,1120.07 2538.24,1613.7 2514.23,1637.71 2454.95,1637.71 2447.52,1630.28 2447.52,1634.63 P4.9@2444.34,1634.63
  Bottom Layer w8: U9.7@1999.95,1872.22 2008.02,1880.3 2031.84,1880.3 2038.7,1873.44 2107.04,1873.44 2121.32,1887.71 2121.32,1919.6 2141.22,1939.51 2364.44,1939.51 2396.8,1907.14 2396.8,1616.82 2406.65,1606.97 2446.63,1606.97 R73.2@2447.32,1606.28 ; U8.6@2117.67,1061.99 2188.6,1061.99 C72.1@2189.32,1061.26
  Bottom Layer w10: C72.1@2189.32,1061.26 v1@2227.51,1061.26
  other v1: 2227.51,1070.06
485_B: C71.2 P4.7 R73.1 U8.7 U9.8 | length 1873.7
  Top Layer w10: v1@2229.48,1110.91 2233.02,1110.91 2263.73,1080.2 2469.24,1080.2 2503.1,1114.06 2503.1,1479.41 2463.68,1518.83 P4.7@2446.75,1518.83
  Bottom Layer w8: U9.8@1999.95,1822.22 2037.25,1822.22 2069.25,1854.22 2111.84,1854.22 2141.39,1883.78 2141.39,1910.94 2152.64,1922.18 2353.41,1922.18 2377.12,1898.48 2377.12,1588.07 2415.7,1549.49 R73.1@2437.75,1549.49 ; U8.7@2117.67,1011.99 2249.5,1011.99 C71.2@2260.58,1000.9 ; P4.7@2432.07,1535.04 P4.7@2447.52,1519.59
  Bottom Layer w10: v1@2230.27,1111.7 2260.58,1081.38 C71.2@2260.58,1000.9 ; P4.7@2447.32,1538.98 R73.1@2447.32,1550.28
  other v1: 2228.69,1112.09
ACC_INT: C81.2 R2.1 U3.16 U4.10 | length 2115.2
  Top Layer w8: U4.10@1238.76,606.36 1266.57,606.36 1297.98,637.78 1297.98,711 v1@1266.49,742.5
  Bottom Layer w8: v1(1262.94,746.83) 1265.31,749.19 1265.31,832.1 1530.02,1096.81 1530.02,1436.97 1557.04,1463.98 1557.04,1537.04 1594.05,1574.05 1594.05,1701.16 1635.78,1742.89 1635.78,1868.32 1715.47,1948.01 1861.76,1948.01 1910.19,1899.59 U3.16@1910.19,1694.86 ; R2.1@1825.55,1658.82 C81.2@1825.55,1689.8 ; C81.2@1827.98,1689.8 U3.16@1907.35,1689.8 ; U3.16@1902.79,1684.81 U3.16@1907.57,1689.59
ACCL_INT: C99.2 R58.1 U4.12 U5.5 | length 1480.2
  Top Layer w8: C99.2@299.84,262.52 301.32,264 383.96,264 ; U5.5@426.79,289.44 409.41,289.44 383.96,264 ; v1@839.72,356.26 839.72,219.1 823.51,202.89 752.14,202.89 707.65,247.38 519.01,247.38 497.98,226.36 421.61,226.36 383.96,264 ; R58.1@1227.19,720.71 1227.19,657.3 U4.12@1238.76,645.73
  Top Layer w10: v1(1203.1,730.69) 1204.02,729.77 R58.1@1226.72,729.77
  Bottom Layer w8: v1@828.77,373.9 828.77,395.38 878.94,445.56 931.13,445.56 960.26,474.69 1016.17,474.69 1048.73,507.25 1048.73,615.73 1160.15,727.15 v1@1202.32,727.15
  other v1: 833.49,365.24
ADC_IN0: C90.2 R87.2 R95.2 U4.18 | length 2643.1
  Top Layer w8: U4.18@1071.43,714.63 1071.43,671.39 1111.84,630.99 v1@1187.43,630.99 ; v1@1627.12,1590.14 1638.35,1578.91 1780.85,1578.91 1801.07,1558.69 1888.86,1558.69 1908.15,1539.4 2095.09,1539.4 2235.49,1399 v1@2235.49,1355
  Bottom Layer w8: v1@1181.92,631.78 1286.47,631.78 1404.66,749.96 1404.66,902.34 1578.02,1075.71 1578.02,1413.67 1632.82,1468.47 1632.82,1578.92 v1@1623.97,1587.78 ; v1@2238.24,1349.92 2264.62,1376.3 2289.03,1376.3 2317.77,1347.56 2468.88,1347.56 2578.77,1457.44 2578.77,1500.67 R95.2@2574.56,1504.88 ; R95.2@2577.62,1507.94 R87.2@2577.62,1542.86 C90.2@2577.62,1577.79
  other v1: 1188.22,629.41 2236.17,1342.5 1623.18,1595.65